# Altium PCB nRF9161.PcbDoc (part 1 of 2) (continued)
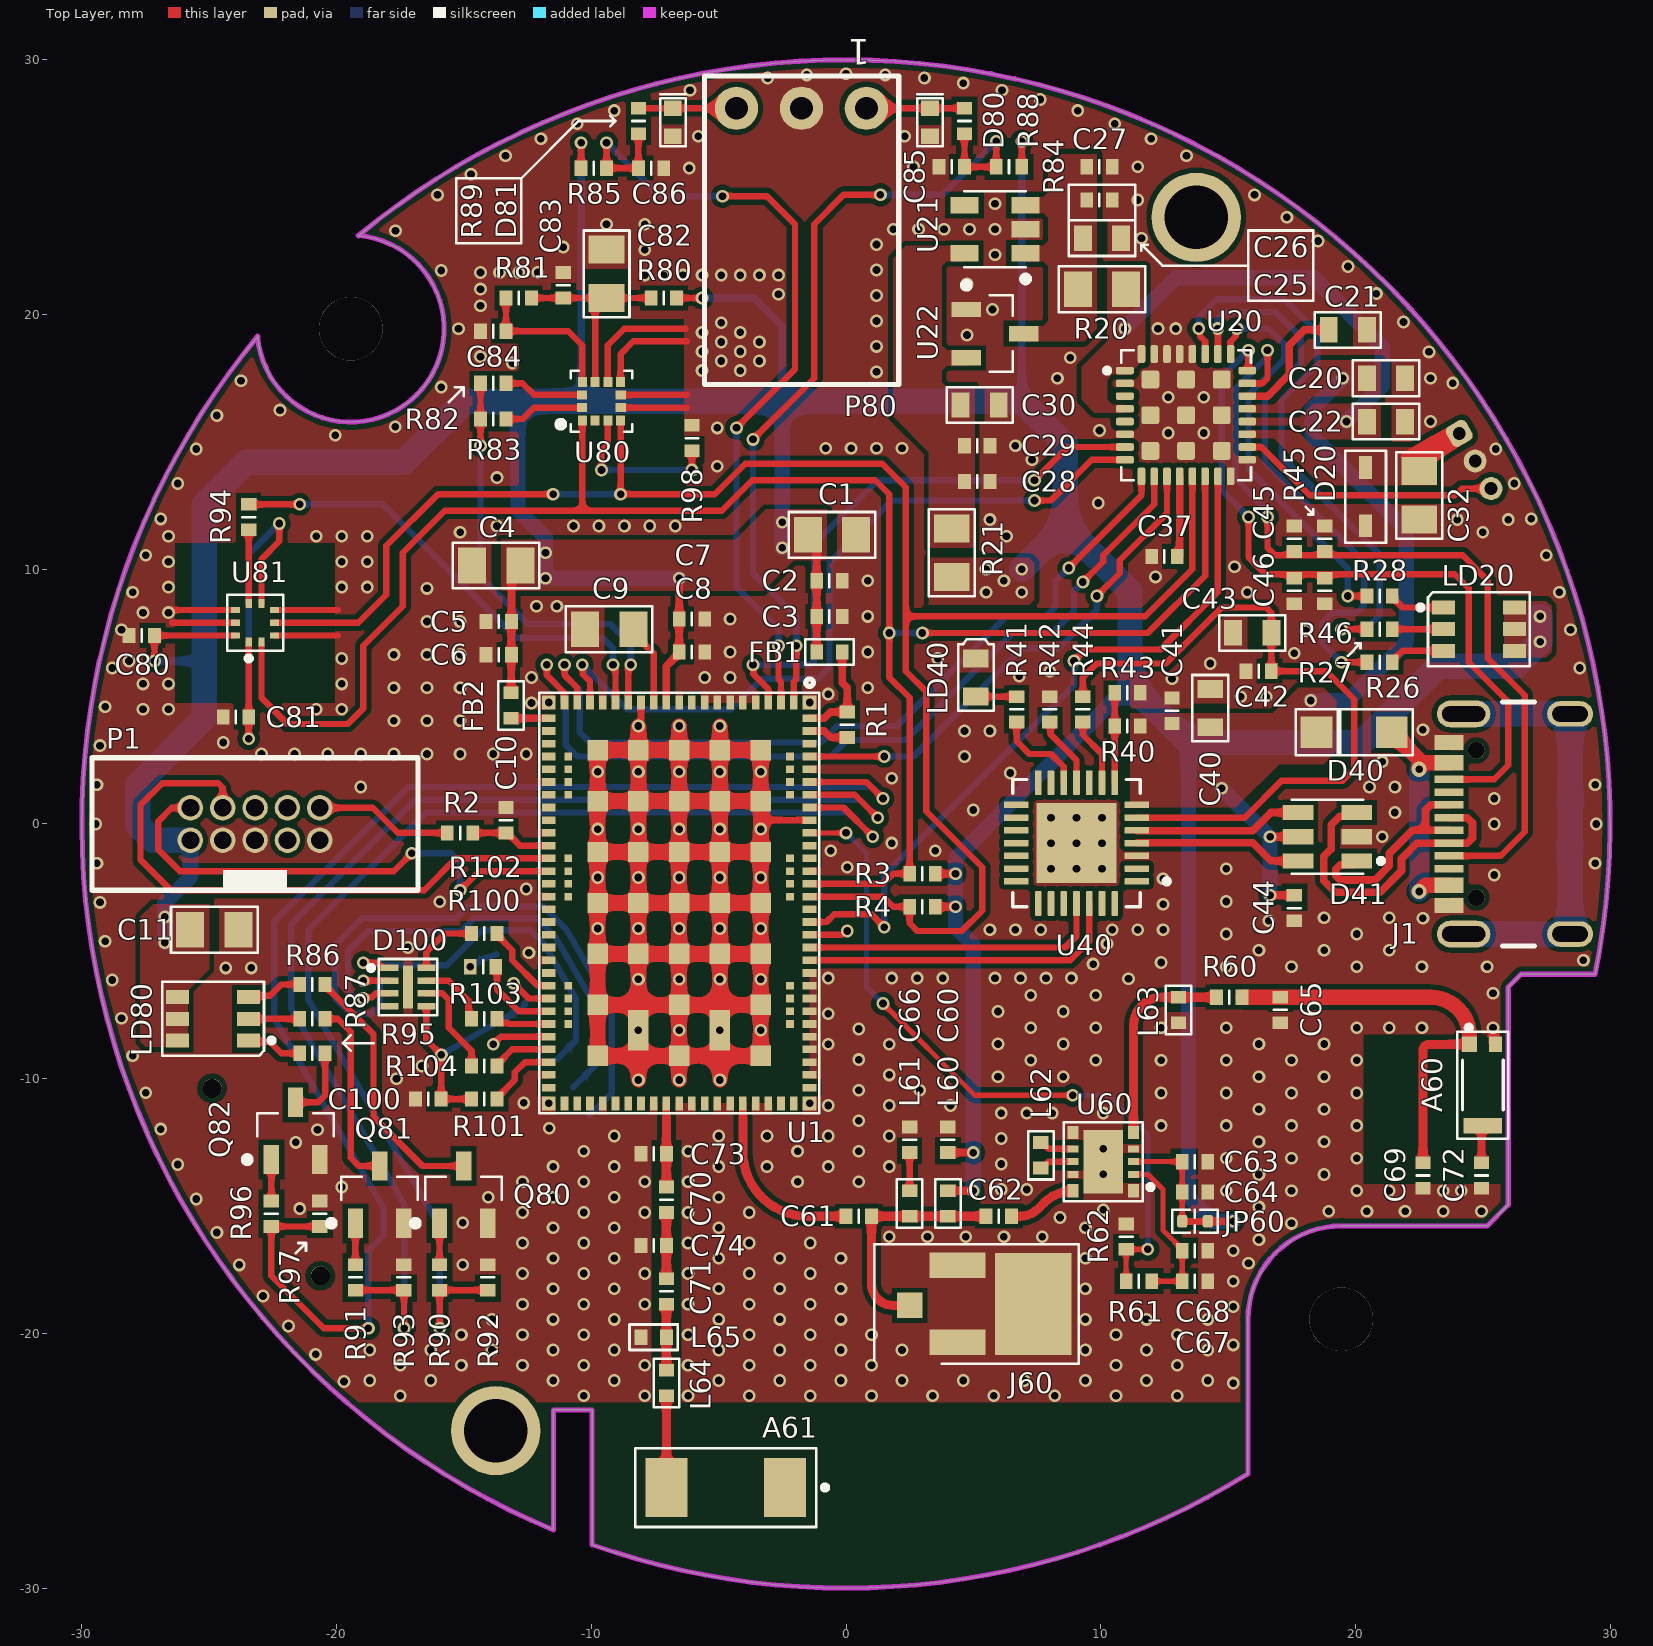
[diagram p0: Top Layer view]
## Components (designator, comment, footprint, x,y, rotation, side; value= is the part's Value field where it differs from the comment)
A60 "ACAR0301-SG3" "ANT GPS ACAR0301-SG3" 25,-10.25 r270 top
A61 "NN02-201" "ANT NN02-201" -4.725,-26.05 r180 top
C1 "47uF 10% X7R 10V 0805 SMD" "CAP 0805" -0.55,11.35 r0 top
C2 "100nF 10% X7R 10V 0402 SMD" "CAP 0402" -0.65,9.55 r0 top
C3 "15pF 10% X7R 16V 0402 SMD" "CAP 0402" -0.65,8.15 r0 top
C4 "47uF 10% X7R 10V 0805 SMD" "CAP 0805" -13.734,10.15 r180 top
C5 "100nF 10% X7R 10V 0402 SMD" "CAP 0402" -13.634,7.95 r180 top
C6 "15pF 10% X7R 16V 0402 SMD" "CAP 0402" -13.634,6.65 r180 top
C7 "4.7uF 10% X7R 10V 0402 SMD" "CAP 0402" -6.05,8.05 r180 top
C8 "100nF 10% X7R 10V 0402 SMD" "CAP 0402" -6.05,6.75 r0 top
C9 "4.7uF 10% X7R 10V 0805 SMD" "CAP 0805" -9.3,7.65 r180 top
C10 "100nF 10% X7R 16V 0402 SMD" "CAP 0402" -13.35,0.15 r90 top
C11 "100nF 10% X7R 16V 0805 SMD" "CAP 0805" -24.8,-4.15 r0 top
C20 "1uF 10% X7R 16V 0603 SMD" "CAP 0603" 21.2,17.5 r0 top
C21 "1uF 10% X7R 16V 0603 SMD" "CAP 0603" 19.7,19.4 r0 top
C22 "10uF 20% X5R 25V 0603 SMD" "CAP 0603" 21.2,15.8 r0 top value="CAP 0603"
C25 "10uF 20% X5R 25V 0603 SMD" "CAP 0603" 10.05,23 r0 top value="CAP 0603"
C26 "1uF 10% X7R 10V 0402 SMD" "CAP 0402" 9.95,24.5 r0 top
C27 "100nF 10% X7R 10V 0402 SMD" "CAP 0402" 9.95,25.8 r0 top
C28 "100nF 10% X7R 10V 0402 SMD" "CAP 0402" 5.15,13.45 r0 top
C29 "1uF 10% X7R 10V 0402 SMD" "CAP 0402" 5.15,14.85 r0 top
C30 "10uF 20% X5R 25V 0603 SMD" "CAP 0603" 5.25,16.45 r0 top value="CAP 0603"
C32 "2.2uF 10% X7T 100V 0805 SMD" "CAP 0805" 22.5,12.9 r270 top
C37 "100nF 10% X7R 16V 0402 SMD" "CAP 0402" 12.5,10.5 r180 top
C40 "4.7uF 10% X7R 16V 0603 SMD" "CAP 0603" 14.3,4.55 r90 top
C41 "100nF 10% X7R 10V 0402 SMD" "CAP 0402" 12.8,4.45 r90 top
C42 "100nF 10% X7R 10V 0402 SMD" "CAP 0402" 16.2,6 r180 top
C43 "4.7uF 10% X7R 16V 0603 SMD" "CAP 0603" 15.95,7.5 r180 top
C44 "100nF 10% X7R 16V 0402 SMD" "CAP 0402" 17.6,-3.3 r270 top
C45 "30pF 5% C0G/NP0 50V 0402 SMD" "CAP 0402" 17.6,11.2 r90 top
C46 "30pF 5% C0G/NP0 50V 0402 SMD" "CAP 0402" 17.6,9.15 r270 top
C60 "39pF 1% NP0 25V 0402 SMD" "CAP 0402" 4,-12.4 r270 top value="CAP 0402"
C61 "39pF 1% NP0 25V 0402 SMD" "CAP 0402" 0.5,-15.4 r0 top value="CAP 0402"
C62 "39pF 1% NP0 25V 0402 SMD" "CAP 0402" 6,-15.4 r0 top value="CAP 0402"
C63 "100pF 10% X7R 50V 0402 SMD" "CAP 0402" 13.7,-13.257 r0 top
C64 "100nF 10% X7R 50V 0402 SMD" "CAP 0402" 13.7,-14.45 r0 top
C65 "3.3pF * * * 0402 SMD" "CAP 0402" 17.05,-7.3 r270 top value="CAP 0402"
C66 "DnP * * * 0402 SMD" "CAP 0402" 2.5,-12.4 r90 top value="CAP 0402"
C67 "100nF 10% X7R 50V 0402 SMD" "CAP 0402" 13.7,-17.95 r0 top
C68 "100pF 10% X7R 50V 0402 SMD" "CAP 0402" 13.7,-16.75 r0 top
C69 "1pF * * * 0402 SMD" "CAP 0402" 22.65,-13.8 r270 top value="CAP 0402"
C70 "* * * * 0402 SMD" "CAP 0402" -7.05,-14.75 r90 top value="CAP 0402"
C71 "* * * * 0402 SMD" "CAP 0402" -7.05,-18.35 r90 top value="CAP 0402"
C72 "2pF * * * 0402 SMD" "CAP 0402" 24.95,-13.8 r270 top value="CAP 0402"
C73 "DnP * * * 0402 SMD" "CAP 0402" -7.55,-12.95 r180 top value="CAP 0402"
C74 "DnP * * * 0402 SMD" "CAP 0402" -7.55,-16.55 r180 top value="CAP 0402"
C80 "100nF 10% X7R 16V 0402 SMD" "CAP 0402" -27.65,7.4 r180 top
C81 "100nF 10% X7R 16V 0402 SMD" "CAP 0402" -23.95,4.2 r180 top
C82 "10uF 10% X7R 10V 0805 SMD" "CAP 0805" -9.4,21.6 r90 top
C83 "100nF 10% X7R 10V 0402 SMD" "CAP 0402" -11.1,21.15 r90 top
C84 "100nF 10% X7R 10V 0402 SMD" "CAP 0402" -13.85,19.35 r180 top
C85 "100nF 10% X7R 16V 0402 SMD" "CAP 0402" 4.15,25.8 r180 top
C86 "100nF 10% X7R 16V 0402 SMD" "CAP 0402" -7.65,25.75 r0 top
C100 "10nF 10% X7R 16V 0402 SMD" "CAP 0402" -16.4,-10.8 r180 top
D20 "D5V0L1B2WS-7" "DIODE TVS SOD-323" 20.4,12.85 r90 top
D40 "MBR120ESFT3G" "DIODE SOD-123" 19.95,3.6 r180 top
D41 "USBLC6-2" "IC SOT23-6" 18.9,-0.5 r90 top
D80 "D5V0L1B2LP4-7B" "DIODE 0402" 3.3,27.551 r270 top
D81 "D5V0L1B2LP4-7B" "DIODE 0402" -6.8,27.55 r270 top
D100 "TPD3F303DPVR" "IC 8-UFDFN Exposed Pad" -17.2,-6.4 r270 top
FB1 "BLM15AX121SN1D" "FERRITE 0402" -0.65,6.75 r0 top
FB2 "BLM15AX121SN1D" "FERRITE 0402" -13.15,4.65 r270 top
J1 "USB4105-GF-A" "CONN USB TYPE-C USB4105-GF-A" 26.05,0 r90 top
J20 "NTC BATTERY PACK" "CONN BATT - 1.25MM 3 PIN" 23.098,13.325 r120 bottom
J60 "0734120110" "CONN UFL" 4.925,-18.837 r0 top
J100 "L-KLS1-SIM-066-(6+1)P-H1.37-R" "CONN L-KLS1-SIM-066-(6+1)P-H1" -18.35,-10.65 r120 bottom
JP60 "JUMPER CLOSED" "JP PAD 2 PIN - NET TIE" 13.7,-15.6 r90 top net-tie
L60 "IND 0402" "IND 0402" 4,-14.9 r90 top
L61 "IND 0402" "IND 0402" 2.5,-14.9 r270 top
L62 "IND 0402" "IND 0402" 7.65,-13.007 r270 top
L63 "IND 0402" "IND 0402" 13.05,-7.3 r90 top
L64 "IND 0402" "IND 0402" -7.05,-21.95 r270 top
L65 "IND 0402" "IND 0402" -7.55,-20.15 r0 top
LD20 "150352M173300" "LED RGB 150352M173300" 24.85,7.65 r0 top
LD40 "LED SMD" "LED 0603 BLUE" 5.1,5.75 r270 top
LD80 "150352M173300" "LED RGB 150352M173300" -24.85,-7.65 r180 top
P1 "IDC 2X5 1.27MM" "CONN 2x5 IDC 1.27MM" -23.2,0 r0 top
P80 "HEADER 1 X 3 RA" "HDR 1X3 RA" -1.75,28.1 r180 top
Q80 "BC817-40,215" "TRAN SOT-23-3" -15.01,-14.55 r90 top
Q81 "BC817-40,215" "TRAN SOT-23-3" -18.31,-14.55 r90 top
Q82 "BC817-40,215" "TRAN SOT-23-3" -21.61,-12.05 r90 top
R1 "10K 1% 1/10W 0402 SMD" "RES 0402" 0.05,3.9 r90 top
R2 "1K 5% 1/10W 0402 SMD" "RES 0402" -15.15,-0.35 r180 top
R3 "4.7K 5% 1/10W 0402 SMD" "RES 0402" 3,-1.95 r0 top
R4 "4.7K 5% 1/10W 0402 SMD" "RES 0402" 3,-3.25 r0 top
R20 "0R 5% * 0805 SMD" "RES 0805" 10.05,21 r0 top
R21 "0R 5% * 0805 SMD" "RES 0805" 4.15,10.65 r90 top
R26 "200R 5% 1/10W 0402 SMD" "RES 0402" 20.95,6.35 r0 top
R27 "200R 5% 1/10W 0402 SMD" "RES 0402" 20.95,7.65 r0 top
R28 "200R 5% 1/10W 0402 SMD" "RES 0402" 20.95,8.95 r0 top
R40 "22K 1% 1/10W 0402 SMD" "RES 0402" 11.05,3.85 r0 top
R41 "200R 5% 1/10W 0402 SMD" "RES 0402" 6.7,4.5 r270 top
R42 "10K 5% 1/10W 0402 SMD" "RES 0402" 8,4.5 r270 top
R43 "47K 1% 1/10W 0402 SMD" "RES 0402" 11.05,5.15 r180 top
R44 "1K 5% 1/10W 0402 SMD" "RES 0402" 9.3,4.5 r90 top
R45 "RES 0402" "RES 0402" 18.8,11.2 r270 top
R46 "RES 0402" "RES 0402" 18.8,9.15 r90 top
R47 "0R 5% * 0805 SMD" "RES 0805" 27.478,0 r0 bottom
R60 "0R 5% * 0402 SMD" "RES 0402" 15.05,-6.8 r180 top
R61 "0R 5% * 0402 SMD" "RES 0402" 11.5,-17.95 r180 top
R62 "1M 5% 1/10W 0402 SMD" "RES 0402" 11,-16.2 r270 top
R80 "0R 5% * 0402 SMD" "RES 0402" -7.15,20.65 r0 top
R81 "0R 5% * 0402 SMD" "RES 0402" -12.85,20.65 r0 top
R82 "0R 5% * 0402 SMD" "RES 0402" -13.85,17.3 r0 top
R83 "0R 5% * 0402 SMD" "RES 0402" -13.85,15.9 r0 top
R84 "10K 5% 1/10W 0402 SMD" "RES 0402" 6.4,25.8 r0 top
R85 "10K 5% 1/10W 0402 SMD" "RES 0402" -9.9,25.75 r180 top
R86 "200R 5% 1/10W 0402 SMD" "RES 0402" -20.95,-6.3 r180 top
R87 "200R 5% 1/10W 0402 SMD" "RES 0402" -20.95,-7.65 r180 top
R88 "1K 5% 1/10W 0402 SMD" "RES 0402" 4.65,27.6 r90 top
R89 "1K 5% 1/10W 0402 SMD" "RES 0402" -8.15,27.6 r90 top
R90 "1K 5% 1/10W 0402 SMD" "RES 0402" -15.96,-17.8 r270 top
R91 "1K 5% 1/10W 0402 SMD" "RES 0402" -19.26,-17.8 r270 top
R92 "10K 5% 1/10W 0402 SMD" "RES 0402" -14.06,-17.8 r270 top
R93 "10K 5% 1/10W 0402 SMD" "RES 0402" -17.36,-17.8 r270 top
R94 "0R 5% * 0402 SMD" "RES 0402" -23.45,12.05 r270 top
R95 "200R 5% 1/10W 0402 SMD" "RES 0402" -20.95,-9 r180 top
R96 "1K 5% 1/10W 0402 SMD" "RES 0402" -22.56,-15.3 r270 top
R97 "10K 5% 1/10W 0402 SMD" "RES 0402" -20.66,-15.3 r270 top
R98 "0R 5% * 0402 SMD" "RES 0402" -6.05,15.15 r270 top
R100 "0R 5% * 0402 SMD" "RES 0402" -14.25,-5.6 r0 top
R101 "0R 5% * 0402 SMD" "RES 0402" -14.2,-10.8 r0 top
R102 "0R 5% * 0402 SMD" "RES 0402" -14.2,-4.3 r0 top
R103 "0R 5% * 0402 SMD" "RES 0402" -14.2,-7.65 r0 top
R104 "0R 5% * 0402 SMD" "RES 0402" -14.2,-9.5 r0 top
U1 "nRF9161-LACA-R" "IC nRF9161" -6.55,-3.1 r270 top
U20 "NPM1300-QEAA-R" "IC QFN-32 (5X5) EXP" 13.35,16.05 r0 top
U21 "XC6220B331MR-G" "IC SOT-25" 5.85,23.35 r180 top
U22 "MCP1700T-3302E/TT" "IC SOT-23-3" 5.85,19.25 r0 top
U40 "CP2102N-A02-GQFN28R" "IC QFN-28 (5x5)" 9.05,-0.75 r180 top
U60 "SKY65943-11" "IC 10-MCM (2.5x2.5)" 10.1,-13.257 r180 top
U80 "LIS2DH12TR" "IC LGA-12 (2x2)" -9.6,16.595 r90 top
U81 "BMP390" "IC LGA-10 (2X2)" -23.2,7.9 r180 top

## Footprints (in the part's own frame and the unit in brackets; to place one, negate y for a bottom-side part, rotate by r counter-clockwise, add the part's x,y. Pads: shape width x height; smd on the part's side, far side on the other; paste and mask are expansions set on the pad)
"ANT GPS ACAR0301-SG3" [mm]
  rect 0.6x0.6 smd mask+0.102: 1(-1.6,-0.525)
  rect 0.6x0.5 smd mask+0.102: 2(-1.6,0.5)
  rect 0.6x1.5 smd mask+0.102: 3(1.6,0)
  silkscreen extent -2.35,-1 2.1,1, body extent -1.53,-0.8 1.53,0.8, height 0.55
"ANT NN02-201" [mm]
  rect 1.65x2.3 smd: 1(2.325,0) ""(-2.325,0)
  silkscreen extent -4,-1.55 3.55,1.55, body extent -3.5,-1.5 3.5,1.5, height 1.02
"CAP 0402" [mm]
  rect 0.5x0.6 smd: 1(-0.5,0) 2(0.5,0)
  Top Layer pour cut-out: -0.1,0.5 0.1,0.5 0.1,-0.5 -0.1,-0.5
  silkscreen extent 0,-0.25 0,0.25, body extent -0.5,-0.25 0.5,0.25, height 0.5
"CAP 0603" [mm]
  rect 0.7x1 smd: 1(-0.75,0) 2(0.75,0)
  Top Layer pour cut-out: -0.2,0.7 0.2,0.7 0.2,-0.7 -0.2,-0.7
  silkscreen extent -1.3,-0.7 1.3,0.7, body extent -0.8,-0.4 0.8,0.4, height 0.8
"CAP 0805" [mm]
  rect 1.1x1.4 smd: 1(-0.95,0) 2(0.95,0)
  Top Layer pour cut-out: -0.2,0.9 0.2,0.9 0.2,-0.9 -0.2,-0.9
  silkscreen extent -1.7,-0.9 1.7,0.9, body extent -1,-0.62 1,0.63, height 0.6
"CONN 2x5 IDC 1.27MM" [mm]
  round 1 hole 0.7: 1(-2.54,-0.635) 2(-2.54,0.635) 3(-1.27,-0.635) 4(-1.27,0.635) 5(0,-0.635) 6(0,0.635) 7(1.27,-0.635) 8(1.27,0.635) 9(2.54,-0.635) 10(2.54,0.635)
  silkscreen extent -6.4,-2.6 6.4,2.6, body extent -6.35,-2.55 6.35,2.5, height 4.93
"CONN BATT - 1.25MM 3 PIN" [mm]
  rrect50% 0.9x0.9 hole 0.5: 1(1.25,1.85)
  round 0.9 hole 0.5: 2(0,1.85) 3(-1.25,1.85)
  silkscreen extent -2.88,-2.47 2.88,3.02, body extent -2.75,-2.35 2.75,2.35, height 3.53
"CONN L-KLS1-SIM-066-(6+1)P-H1" [mm]
  rect 0.7x2.1 smd: 0(-6.495,5.225) 0(6.495,5.225)
  rect 0.7x1.7 smd: 0(-6.495,-6.775) 0(6.495,-6.775)
  rect 0.75x1.2 smd mask+0.05: C1(0.255,6.775) C2(-2.285,6.775) C3(-4.825,6.775) C5(1.525,6.775) C6(-1.015,6.775) C7(-3.555,6.775)
  rect 0.65x1.2 smd mask+0.05: CD(2.475,6.775)
  round 0.75 hole 0.75 unplated: ""(-4.995,-5.525) ""(3.505,-5.525)
  Top Layer keep-out region: 2.005,-6.625 0.805,-6.625 0.805,-2.825 2.005,-2.825
  Top Layer keep-out region: -0.535,-6.625 -1.735,-6.625 -1.735,-2.825 -0.535,-2.825
  Top Layer keep-out region: -3.075,-6.625 -4.275,-6.625 -4.275,-2.825 -3.075,-2.825
  Top Layer keep-out region: 2.005,0.275 0.805,0.275 0.805,4.075 2.005,4.075
  Top Layer keep-out region: -0.535,0.275 -1.735,0.275 -1.735,4.075 -0.535,4.075
  Top Layer keep-out region: -3.075,0.275 -4.275,0.275 -4.275,4.075 -3.075,4.075
  silkscreen extent -6.2,-7.53 6.2,6.07, body extent -6.55,-7.71 6.54,6.87, height 1.44
"CONN UFL" [mm]
  rect 1x1 smd: 1(-2.425,-0.063)
  rect 2.2x1 smd: 2(-0.55,1.512) 3(-0.55,-1.512)
  rect 3x4 smd: 4(2.425,-0.013)
  silkscreen extent -3.81,-2.36 4.22,2.34, body extent -2.08,-1.74 1.02,1.66, height 1.25
"CONN USB TYPE-C USB4105-GF-A" [mm]
  rect 0.6x1.15 smd: A1_B12(-3.2,2.378) A4_B9(-2.4,2.378) B1_A12(3.2,2.378) B4_A9(2.4,2.378)
  rect 0.3x1.15 smd: A5(-1.25,2.378) A6(-0.25,2.378) A7(0.25,2.378) A8(1.25,2.378) B5(1.75,2.378) B6(0.75,2.378) B7(-0.75,2.378) B8(-1.75,2.378)
  oval 1.05x2.1 hole 0.6 slot 1.7 at 90 deg: S1(-4.32,1.803) S4(4.32,1.803)
  oval 1x1.8 hole 0.6 slot 1.4 at 90 deg: S2(-4.32,-2.378) S3(4.32,-2.378)
  round 0.65 hole 0.65 unplated: ""(-2.89,1.302) ""(2.89,1.302)
  silkscreen extent -4.79,-0.98 4.79,0.27, body extent -4.79,-4.98 4.79,2.73, height 3.31
"DIODE 0402" [mm]
  rect 0.6x0.7 smd: 1(-0.55,0) 2(0.55,0)
  Top Layer pour cut-out: -0.1,0.5 0.1,0.5 0.1,-0.5 -0.1,-0.5
  silkscreen extent -1.1,-0.5 0.95,0.5, body extent -0.51,-0.31 0.51,0.31, height 0.4
"DIODE SOD-123" [mm]
  rect 1.25x1.25 smd: A(-1.475,0) K(1.475,0)
  silkscreen extent -2.3,-0.9 2.3,0.9, body extent -1.92,-0.85 1.93,0.85, height 1.42
"DIODE TVS SOD-323" [mm]
  rect 0.9x0.5 smd: 1(-1.14,0)
  rect 0.9x0.5 smd mask+0.102: 2(1.14,0)
  silkscreen extent -1.8,-0.8 1.8,0.8, body extent -1.3,-0.67 1.3,0.68, height 1.1
"FERRITE 0402" [mm]
  rect 0.5x0.6 smd: 1(-0.5,0) 2(0.5,0)
  Top Layer pour cut-out: -0.1,0.5 0.1,0.5 0.1,-0.5 -0.1,-0.5
  silkscreen extent -0.95,-0.5 0.95,0.5, body extent -0.5,-0.25 0.5,0.25, height 0.5
"HDR 1X3 RA" [mm]
  round 1.7 hole 0.9: 1(-2.55,0.001) 2(0,-0.001) 3(2.55,0.001)
  silkscreen extent -3.82,-1.27 3.8,10.85, body extent -3.81,-0.36 3.81,10.75, height 3.25
"IC 8-UFDFN Exposed Pad" [mm]
  rect 0.25x0.7 smd mask+0.05: 1(-0.75,-0.725) 2(-0.25,-0.725) 3(0.25,-0.725) 4(0.75,-0.725) 5(0.75,0.725) 6(0.25,0.725) 7(-0.25,0.725) 8(-0.75,0.725)
  rect 1.7x0.4 smd mask+0.05: 9(0,0)
  silkscreen extent -1.1,-1.55 1.1,1.15, body extent -1.05,-0.8 1.05,0.8, height 0.65
"IC 10-MCM (2.5x2.5)" [mm]
  rect 0.425x0.515 smd mask+0.05: 1(-1.188,1.144) 5(-1.188,-1.144) 6(1.187,-1.144) 10(1.187,1.144)
  rect 0.425x0.275 smd mask+0.05: 2(-1.188,0.5) 3(-1.188,0) 4(-1.188,-0.5) 7(1.187,-0.5) 8(1.187,0) 9(1.187,0.5)
  rect 1.55x2.5 smd paste-2 mask+0.05: 11(0,0)
  silkscreen extent -1.95,-1.55 1.55,1.55, body extent -1.25,-1.25 1.25,1.25, height 0.7
"IC LGA-10 (2X2)" [mm]
  rect 0.25x0.35 smd mask+0.05: 1(0.25,0.762) 2(-0.25,0.762) 6(-0.25,-0.763) 7(0.25,-0.763)
  rect 0.35x0.25 smd mask+0.05: 3(-0.763,0.5) 4(-0.763,0) 5(-0.763,-0.5) 8(0.762,-0.5) 9(0.762,0) 10(0.762,0.5)
  silkscreen extent -1.1,-1.1 1.1,1.5, body extent -1.03,-1.03 1.03,1.03, height 0.81
"IC LGA-12 (2x2)" [mm]
  rect 0.4x0.35 smd mask+0.01: 1(-0.76,0.75) 2(-0.76,0.25) 3(-0.76,-0.25) 4(-0.76,-0.75) 7(0.76,-0.75) 8(0.76,-0.25) 9(0.76,0.25) 10(0.76,0.75)
  rect 0.35x0.4 smd mask+0.01: 5(-0.25,-0.76) 6(0.25,-0.76) 11(0.25,0.76) 12(-0.25,0.76)
  silkscreen extent -1.2,-1.2 1.2,1.7, body extent -1,-1 1,1, height 0.71
"IC nRF9161" [mm]
  rect 0.54x0.54 smd mask+0.05: 1(-7.87,5.12) 21(-7.87,-5.12) 52(7.87,-5.12) 72(7.87,5.12)
  rect 0.54x0.3 smd mask+0.05: 2(-7.87,4.5) 3(-7.87,4) 4(-7.87,3.5) 5(-7.87,3) 6(-7.87,2.5) 7(-7.87,2) 8(-7.87,1.5) 9(-7.87,1) 10(-7.87,0.5) 11(-7.87,0) 12(-7.87,-0.5) 13(-7.87,-1) 14(-7.87,-1.5) 15(-7.87,-2) 16(-7.87,-2.5) 17(-7.87,-3) 18(-7.87,-3.5) 19(-7.87,-4) 20(-7.87,-4.5) 53(7.87,-4.5) 54(7.87,-4) 55(7.87,-3.5) 56(7.87,-3) 57(7.87,-2.5) 58(7.87,-2) 59(7.87,-1.5) 60(7.87,-1) 61(7.87,-0.5) 62(7.87,0) 63(7.87,0.5) 64(7.87,1) 65(7.87,1.5) 66(7.87,2) 67(7.87,2.5) 68(7.87,3) 69(7.87,3.5) 70(7.87,4) 71(7.87,4.5)
  rect 0.3x0.54 smd mask+0.05: 22(-7.25,-5.12) 23(-6.75,-5.12) 24(-6.25,-5.12) 25(-5.75,-5.12) 26(-5.25,-5.12) 27(-4.75,-5.12) 28(-4.25,-5.12) 29(-3.75,-5.12) 30(-3.25,-5.12) 31(-2.75,-5.12) 32(-2.25,-5.12) 33(-1.75,-5.12) 34(-1.25,-5.12) 35(-0.75,-5.12) 36(-0.25,-5.12) 37(0.25,-5.12) 38(0.75,-5.12) 39(1.25,-5.12) 40(1.75,-5.12) 41(2.25,-5.12) 42(2.75,-5.12) 43(3.25,-5.12) 44(3.75,-5.12) 45(4.25,-5.12) 46(4.75,-5.12) 47(5.25,-5.12) 48(5.75,-5.12) 49(6.25,-5.12) 50(6.75,-5.12) 51(7.25,-5.12) 73(7.25,5.12) 74(6.75,5.12) 75(6.25,5.12) 76(5.75,5.12) 77(5.25,5.12) 78(4.75,5.12) 79(4.25,5.12) 80(3.75,5.12) 81(3.25,5.12) 82(2.75,5.12) 83(2.25,5.12) 84(1.75,5.12) 85(1.25,5.12) 86(0.75,5.12) 87(0.25,5.12) 88(-0.25,5.12) 89(-0.75,5.12) 90(-1.25,5.12) 91(-1.75,5.12) 92(-2.25,5.12) 93(-2.75,5.12) 94(-3.25,5.12) 95(-3.75,5.12) 96(-4.25,5.12) 97(-4.75,5.12) 98(-5.25,5.12) 99(-5.75,5.12) 100(-6.25,5.12) 101(-6.75,5.12) 102(-7.25,5.12)
  rect 0.8x0.8 smd paste-5 mask+0.05: 103(-6,3.2) 103(-6,-1.6) 103(-6,0) 103(-6,1.6) 103(-6,-3.2) 103(-4,3.2) 103(-4,-1.6) 103(-4,0) 103(-4,1.6) 103(-4,-3.2) 103(-2,3.2) 103(-2,1.6) 103(-2,0) 103(-2,-1.6) 103(-2,-3.2) 103(0,3.2) 103(0,1.6) 103(0,0) 103(0,-1.6) 103(0,-3.2) 103(2,3.2) 103(2,1.6) 103(2,0) 103(2,-1.6) 103(2,-3.2) 103(4,3.2) 103(4,0) 103(4,-3.2) 103(6,3.2) 103(6,0) 103(6,-3.2)
  rect 1.6x0.8 smd paste-5 mask+0.05: 103(5,-1.6) 103(5,1.6)
  rect 0.3x0.3 smd mask+0.05: 104(-5.75,-4.35) 105(-5.25,-4.35) 106(-4.75,-4.35) 107(-4.25,-4.35) 108(-1.75,-4.35) 109(-1.25,-4.35) 110(-0.75,-4.35) 111(-0.25,-4.35) 112(3.25,-4.35) 113(3.75,-4.35) 114(4.25,-4.35) 115(4.75,-4.35) 116(4.75,4.35) 117(4.25,4.35) 118(3.75,4.35) 119(3.25,4.35) 120(-0.25,4.35) 121(-0.75,4.35) 122(-1.25,4.35) 123(-1.75,4.35) 124(-4.25,4.35) 125(-4.75,4.35) 126(-5.25,4.35) 127(-5.75,4.35)
  Top Layer pour cut-out: -7.87,5.12 7.87,5.12 7.87,-5.12 -7.87,-5.12
  silkscreen extent -8.8,-5.5 8.25,5.5, body extent -8.05,-5.3 8.05,5.3, height 1.2
"IC QFN-28 (5x5)" [mm]
  rrect25% 0.97x0.26 smd mask+0.01: 1(-2.37,1.5) 2(-2.37,1) 3(-2.37,0.5) 4(-2.37,0) 5(-2.37,-0.5) 6(-2.37,-1) 7(-2.37,-1.5) 15(2.37,-1.5) 16(2.37,-1) 17(2.37,-0.5) 18(2.37,0) 19(2.37,0.5) 20(2.37,1) 21(2.37,1.5)
  rrect25% 0.26x0.97 smd mask+0.01: 8(-1.5,-2.37) 9(-1,-2.37) 10(-0.5,-2.37) 11(0,-2.37) 12(0.5,-2.37) 13(1,-2.37) 14(1.5,-2.37) 22(1.5,2.37) 23(1,2.37) 24(0.5,2.37) 25(0,2.37) 26(-0.5,2.37) 27(-1,2.37) 28(-1.5,2.37)
  rect 3.15x3.15 smd paste-3 mask+0.005: 29(0,0)
  silkscreen extent -3.64,-2.5 2.5,2.5, body extent -2.5,-2.5 2.5,2.5, height 1
"IC QFN-32 (5X5) EXP" [mm]
  rrect50% 0.7x0.3 smd: 1(-2.4,1.75) 2(-2.4,1.25) 3(-2.4,0.75) 4(-2.4,0.25) 5(-2.4,-0.25) 6(-2.4,-0.75) 7(-2.4,-1.25) 8(-2.4,-1.75) 17(2.4,-1.75) 18(2.4,-1.25) 19(2.4,-0.75) 20(2.4,-0.25) 21(2.4,0.25) 22(2.4,0.75) 23(2.4,1.25) 24(2.4,1.75)
  rrect50% 0.3x0.7 smd: 9(-1.75,-2.4) 10(-1.25,-2.4) 11(-0.75,-2.4) 12(-0.25,-2.4) 13(0.25,-2.4) 14(0.75,-2.4) 15(1.25,-2.4) 16(1.75,-2.4) 25(1.75,2.4) 26(1.25,2.4) 27(0.75,2.4) 28(0.25,2.4) 29(-0.25,2.4) 30(-0.75,2.4) 31(-1.25,2.4) 32(-1.75,2.4)
  rrect25% 0.7x0.7 smd: 33(-1.4,-1.4) 33(-1.4,0) 33(-1.4,1.4) 33(0,-1.4) 33(0,0) 33(0,1.4) 33(1.4,-1.4) 33(1.4,0) 33(1.4,1.4)
  silkscreen extent -3.2,-2.55 2.55,2.55, body extent -2.5,-2.5 2.5,2.5, height 0.9
"IC SOT23-6" [mm]
  rect 0.6x1.2 smd: 1(-0.95,-1.15) 2(0,-1.15) 3(0.95,-1.15) 4(0.95,1.15) 5(0,1.15) 6(-0.95,1.15)
  silkscreen extent -1.45,-2.2 1.45,1.4, body extent -1.46,-1.4 1.46,1.4, height 1.45
"IC SOT-23-3" [mm]
  rect 1.15x0.6 smd: 1(-1.125,0.95) 2(-1.125,-0.95) 3(1.125,0)
  silkscreen extent -1.22,-1.5 0.7,2, body extent -1.25,-1.5 1.25,1.5, height 1.05
"IC SOT-25" [mm]
  rect 1.1x0.65 smd: 1(-1.2,0.95) 2(-1.2,0) 3(-1.2,-0.95) 4(1.2,-0.95) 5(1.2,0.95)
  silkscreen extent -1.32,-1.5 1.2,2.07, body extent -1.17,-1.46 1.17,1.46, height 1
"IND 0402" [mm]
  rect 0.5x0.6 smd: 1(-0.5,0) 2(0.5,0)
  Top Layer pour cut-out: -0.1,0.5 0.1,0.5 0.1,-0.5 -0.1,-0.5
  silkscreen extent -0.95,-0.5 0.95,0.5, body extent -0.5,-0.3 0.5,0.3, height 0.6
"JP PAD 2 PIN - NET TIE" [mm]
  rrect50% 0.5x0.4 smd: 1(0,0.5) 2(0,-0.5)
  Top Layer region: -0.125,-0.5 0.125,-0.5 0.125,0.5 -0.125,0.5
  silkscreen extent -0.45,-0.9 0.45,0.9
"LED 0603 BLUE" [mm]
  rect 0.7x1 smd: A(0.75,0) K(-0.75,0)
  Top Layer pour cut-out: -0.2,0.7 0.2,0.7 0.2,-0.7 -0.2,-0.7
  silkscreen extent -1.5,-0.7 1.3,0.7, body extent -0.8,-0.39 0.8,0.39, height 0.7
"LED RGB 150352M173300" [mm]
  rect 0.9x0.55 smd: 1(-1.4,0.85) 2(1.4,0.85) 3(-1.4,0) 4(1.4,0) 5(-1.4,-0.85) 6(1.4,-0.85)
  silkscreen extent -2.4,-1.45 2,1.45, body extent -1.75,-1.4 1.75,1.4, height 1.75
"RES 0402" [mm]